# Altium PCB CMTestBoardV2.PcbDoc (part 1 of 2) (continued)
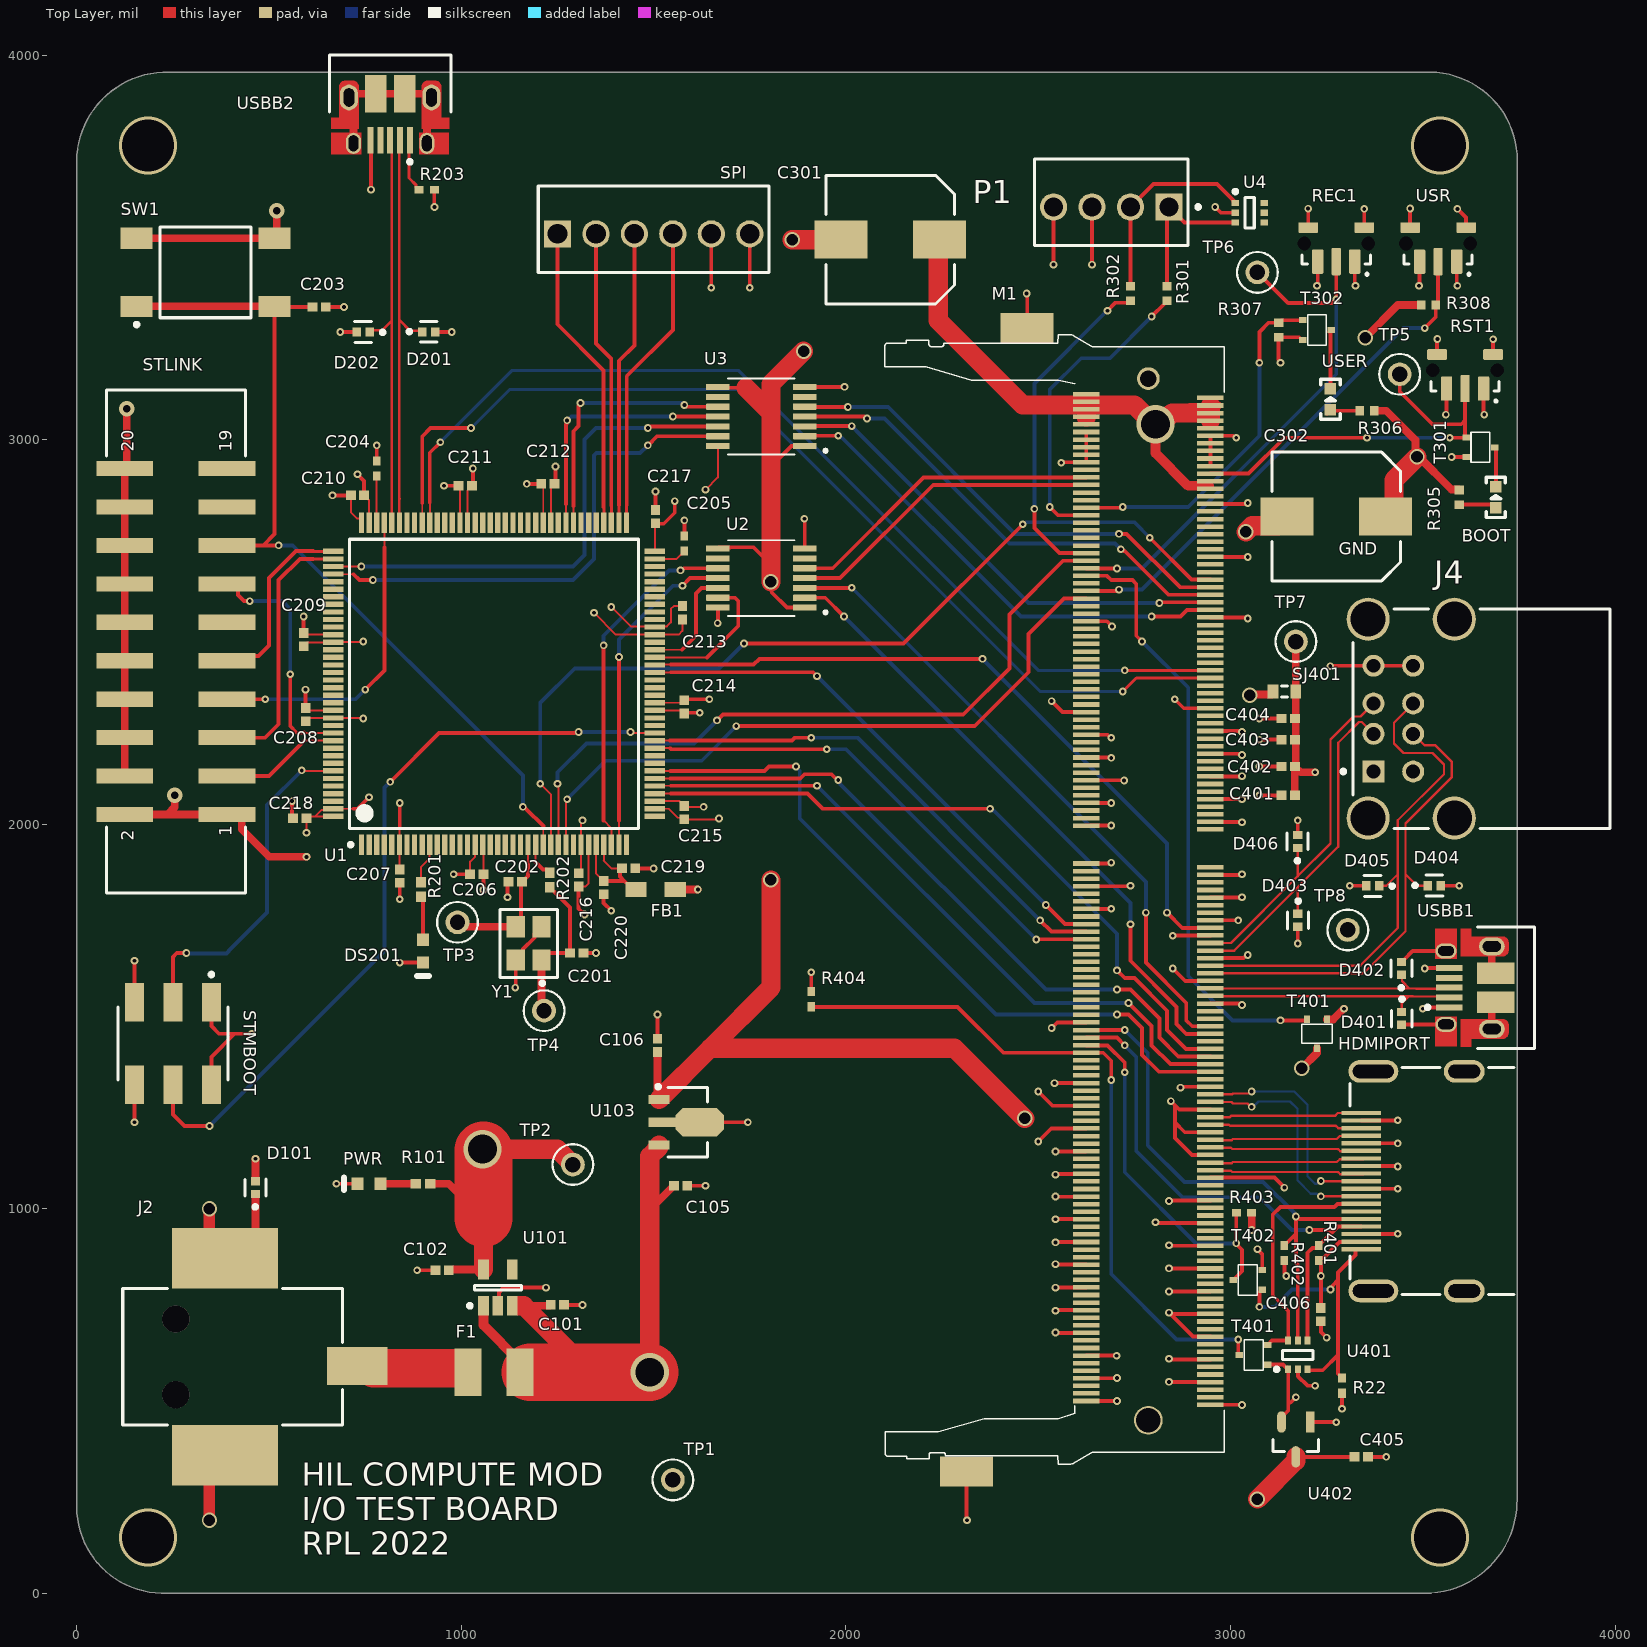
[diagram p0: Top Layer view]
## Design rules (kind name [scope] priority, off if disabled: settings) (continued)
MinimumAnnularRing [All] p1: minimumring=5
MinimumSolderMaskSliver [All] p1: minsoldermaskwidth=8
PolygonConnect [HasFootprint('No Footprint')] p1: connectstyle=Direct reliefconductorwidth=10 reliefentries=4 polygonreliefangle="90 Angle" airgapwidth=10
RoutingVias [All] p1: holewidth=10 width=20 viastyle="Through Hole" minholewidth=5 minwidth=20 maxholewidth=40 maxwidth=50
SolderMaskExpansion [All] p1: expansion=2 istentingtop=FALSE
Width [All] p1: maxlimit=150 minlimit=3.5 preferedwidth=10 substack1={B097EF99-4604-44D4-8B50-51F2A81401D0} toplayer_{b097ef99-4604-44d4-8b50-51f2a81401d0}_maxwidth=80 midlayer1_{b097ef99-4604-44d4-8b50-51f2a81401d0}_maxwidth=80 midlayer2_{b097ef99-4604-44d4-8b50-51f2a81401d0}_maxwidth=80 bottomlayer_{b097ef99-4604-44d4-8b50-51f2a81401d0}_maxwidth=80
27 further rules are at their usual default settings.

## Classes and differential pairs
net class Z_90: OTG_USB_N OTG_USB_P USB1_N USB1_P USB2_N USB2_P
net class GPIO[1..3]: GPIO1 GPIO2 GPIO3
component class U_STM32F4: C201 C202 C203 C204 C205 C206 C207 C208 C209 C210 C211 C212 C213 C214 C215 C216 C217 C218 C219 C220 D201 D202 DS201 FB1 R201 R202 R203 SPI STLINK STMBOOT SW1 TP3 TP4 U1 USBB2 Y1
component class U_Peripherals: C401 C402 C403 C404 C405 C406 D401 D402 D403 D404 D405 D406 HDMIPORT J4 R22 R401 R402 R403 R404 SJ401 T401 T402 TP7 TP8 U401 U402 USBB1
component class U_CMPower: C101 C102 C105 C106 D101 F1 J2 PWR R101 TP1 TP2 U101 U103
component class U_200PinConnector: BOOT C301 C302 M1 P1 R301 R302 R305 R306 R307 R308 REC1 RST1 T301 T302 TP5 TP6 U2 U3 U4 USER USR
differential pair HDMI_D2: +HDMI_D2_P -HDMI_D2_N
differential pair HDMI_D1: +HDMI_D1_P -HDMI_D1_N
differential pair HDMI_D0: +HDMI_D0_P -HDMI_D0_N
differential pair HDMI_CLK: +HDMI_CLK_P -HDMI_CLK_N
differential pair USB2: +USB2_P -USB2_N
differential pair USB1: +USB1_P -USB1_N
differential pair OTG_USB: +OTG_USB_P -OTG_USB_N

## Components (designator, comment, footprint, x,y, rotation, side; value= is the part's Value field where it differs from the comment)
BOOT "APT1608SGC" LED0603 3690,2850 r90 top
C101 "CL05A106MQ5NUNC" CAPC1005X55N 1250,750 r0 top value=10uF
C102 "CL05A106MQ5NUNC" CAPC1005X55N 950,840 r180 top value=10uF
C105 "CL05A105KA5NQNC" CAPC1005X55N 1570,1060 r0 top value=1uF
C106 "CL05A105KA5NQNC" CAPC1005X55N 1510,1425 r90 top value=1uF
C201 "CL05C100JB5NNNC" CAPC1005X55N 1300,1665 r0 top value=10pF
C202 "CL05C100JB5NNNC" CAPC1005X55N 1140,1850 r180 top value=10pF
C203 "CL05B104KO5NNNC" CAPC1005X55N 630,3345 r0 top value=100nF
C204 "CL05A225MQ5NSNC" 0402#1 780,2925 r270 top
C205 "CL05A225MQ5NSNC" 0402#1 1580,2730 r270 top
C206 "CL05B104KO5NNNC" CAPC1005X55N 1040,1870 r180 top value=100nF
C207 "CL05B104KO5NNNC" CAPC1005X55N 840,1865 r270 top value=100nF
C208 "CL05B104KO5NNNC" CAPC1005X55N 595,2285 r90 top value=100nF
C209 "CL05B104KO5NNNC" CAPC1005X55N 590,2480 r90 top value=100nF
C210 "CL05B104KO5NNNC" CAPC1005X55N 730,2855 r0 top value=100nF
C211 "CL05B104KO5NNNC" CAPC1005X55N 1010,2880 r0 top value=100nF
C212 "CL05B104KO5NNNC" CAPC1005X55N 1225,2885 r0 top value=100nF
C213 "CL05B104KO5NNNC" CAPC1005X55N 1575,2550 r270 top value=100nF
C214 "CL05B104KO5NNNC" CAPC1005X55N 1580,2305 r270 top value=100nF
C215 "CL05B104KO5NNNC" CAPC1005X55N 1580,2030 r270 top value=100nF
C216 "CL05B104KO5NNNC" CAPC1005X55N 1305,1855 r270 top value=100nF
C217 "CL05B104KO5NNNC" CAPC1005X55N 1505,2800 r90 top value=100nF
C218 "CL05A475MP5NRNC" CAPC1005X55N 580,2015 r180 top value=4.7uF
C219 "CL05B104KO5NNNC" CAPC1005X55N 1435,1885 r0 top value=100nF
C220 "CL05A105KA5NQNC" CAPC1005X55N 1370,1835 r270 top value=1uF
C301 "VZL331M1ETR-0810" NIC-CAPA2-8X10_V 2115,3520 r180 top
C302 "VZL331M1ETR-0810" NIC-CAPA2-8X10_V 3275,2800 r180 top
C401 "CL05A225MQ5NSNC" CAPC1005X55N 3150,2075 r180 top
C402 "CL05A225MQ5NSNC" CAPC1005X55N 3150,2150 r180 top
C403 "CL05A225MQ5NSNC" CAPC1005X55N 3150,2220 r180 top
C404 "CL05A225MQ5NSNC" CAPC1005X55N 3150,2275 r180 top
C405 "CL05B104KO5NNNC" CAPC1005X55N 3340,355 r0 top value=100nF
C406 "CL05B104KO5NNNC" CAPC1005X55N 3235,725 r270 top value=100nF
D101 "SP3030-01ETG" FP-SP3030-MFG 465,1055 r90 top value=0.5pF
D201 "SP3030-01ETG" FP-SP3030-MFG 915,3280 r0 top value=0.5pF
D202 "SP3030-01ETG" FP-SP3030-MFG 745,3280 r180 top value=0.5pF
D401 "SP3030-01ETG" FP-SP3030-MFG 3445,1495 r270 top value=0.5pF
D402 "SP3030-01ETG" FP-SP3030-MFG 3445,1625 r90 top value=0.5pF
D403 "SP3030-01ETG" FP-SP3030-MFG 3175,1750 r270 top value=0.5pF
D404 "SP3030-01ETG" FP-SP3030-MFG 3530,1840 r0 top value=0.5pF
D405 "SP3030-01ETG" FP-SP3030-MFG 3370,1840 r180 top value=0.5pF
D406 "SP3030-01ETG" FP-SP3030-MFG 3175,1955 r90 top value=0.5pF
DS201 "LTST-S270KGKT" AVAG-HSMX-C190_V 900,1670 r270 top
F1 "ASMD1812-300" LFUS-FUSE1812-71_V 1085,575 r0 top
FB1 "BLM21AG102SN1D" MURA-BLM21-H1-CHIP-2_V 1505,1830 r180 top
HDMIPORT "685119134923" 685119134923 3549.64,1071.89 r90 top
J2 "694106105102" 694106105102 405,615 r270 top
J4 "896-43-008-90-000000" MILL-896-43-008-90-000000_V 3470,2274.5 r90 top
M1 "2309413-1" jetson-nano-connector 1132.87,552.36 r90 top
P1 "640456-4" TECO-640456-4 2690,3605 r0 top
PWR "LTST-S270KGKT" AVAG-HSMX-C190_V 760,1065 r180 top
R22 "0402WGF1003TCE" 0402#1 3290,540 r270 top
R101 "0402WGF750JTCE" RESC1005X40X25ML05T10 900,1065 r0 top
R201 "0402WGF750JTCE" RESC1005X40X25ML05T10 895,1830 r90 top
R202 "0402WGF750JTCE" RESC1005X40X25ML05T10 1230,1855 r90 top
R203 "0402WGF1003TCE" 0402#1 910,3650 r0 top
R301 "RC0402FR-0722R6L" 0402#2 2835,3380 r90 top
R302 "RC0402FR-0722R6L" 0402#2 2740,3380 r90 top
R305 "RC0402FR-07470RL" 0402#2 3595,2850 r270 top
R306 "RC0402FR-07470RL" 0402#2 3355,3075 r180 top
R307 "0402WGF1003TCE" 0402#2 3125,3285 r90 top
R308 "0402WGF1002TCE" 0402#2 3515,3350 r0 top
R401 "0402WGF1801TCE" 0402#1 3230,885 r270 top
R402 "0402WGF1801TCE" 0402#1 3140,885 r270 top value="1.8K 0402"
R403 "0402WGF1001TCE" 0402#1 3035,990 r180 top
R404 "0402WGF1001TCE" 0402#1 1910,1545 r90 top
REC1 "TL3340AF160QG" TL3340AF160QG 3275,3510 r0 top
RST1 "TL3340AF160QG" TL3340AF160QG 3610,3180 r0 top
SJ401 "0R" J1-0603 3140,2345 r180 top
SPI "640456-6" TECO-640456-6_V 1250,3535 r0 top
STLINK "61232020621" 61232020621 257.87,2475 r90 top
STMBOOT "95278-101A06LF" AMPM-95278-101A06LF_V 250,1430 r180 top
SW1 "4-1437565-1" TECO-4-1437565-1_V 335,3435 r90 top
T301 "BSS138PW,115" SC70-3 3650,2980 r0 top
T302 "BSS138PW,115" SC70-3 3225,3285 r0 top
T401 "BSS138PW,115" SC70-3 3060,620 r180 top
T401 "BSS138PW,115" SC70-3 3225,1455 r270 top
T402 "BSS138PW,115" SC70-3 3045,815 r180 top
TP1 "5004" FP-5004-MFG 1550,295 r0 top
TP2 "5004" FP-5004-MFG 1290,1115 r0 top
TP3 "5004" FP-5004-MFG 990,1745 r0 top
TP4 "5004" FP-5004-MFG 1215,1515 r0 top
TP5 "5004" FP-5004-MFG 3440,3170 r90 top
TP6 "5004" FP-5004-MFG 3070,3435 r90 top
TP7 "5004" FP-5004-MFG 3170,2475 r0 top
TP8 "5004" FP-5004-MFG 3305,1725 r0 top
U1 "STM32F427ZGT6" STM-LQFP144_V 1085,2365 r90 top
U2 "TXS0104EPWR" SOP65P640X120-14N 1780,2640 r180 top
U3 "TXS0104EPWR" SOP65P640X120-14N 1780,3060 r180 top
U4 "SMF05CT1G" ONSC-SC70-6-419B-02_W_V 3050,3590 r0 top
U101 "XC6220B331MR-G" TORX-SOT-25-5_M 1095,795 r90 top
U103 "RT9166A-18GXL" SOT-89_N 1588.5,1225 r0 top
U401 "SMF05CT1G" ONSC-SC70-6-419B-02_W_V 3175,620 r90 top
U402 "AP2331W-7" FP-SC59-IPC_B 3170,400.3 r270 top
USBB1 "10103594-0001LF" FCI-10103594-0001LF_V 3625,1575 r90 top
USBB2 "10103594-0001LF" FCI-10103594-0001LF_V 815,3835 r180 top
USER "APT1608SGC" LED0603 3260,3105 r90 top
USR "TL3340AF160QG" TL3340AF160QG 3540,3510 r0 top
Y1 "Q33310F70060700" FP-7M-MFG 1175,1690 r90 top

## Footprints (in the part's own frame and the unit in brackets; to place one, negate y for a bottom-side part, rotate by r counter-clockwise, add the part's x,y. Pads: shape width x height; smd on the part's side, far side on the other; paste and mask are expansions set on the pad)
0402#1 [mm] "Chip Capacitor, Body 1.0x0.5mm, IPC High Density"
  rect 0.6x0.5 smd: 1(-0.5,0) 2(0.5,0)
  body extent -0.55,-0.3 0.55,0.3, height 1.3
0402#2 [mm]
  rect 0.57x0.62 smd: 1(-0.48,0) 2(0.48,0)
  body extent -0.47,-0.25 0.53,0.25, height 0.35
61232020621 [mm] "WR-BHD 2.54mm Male SMT Box Header (Reel), 20p"
  rect 1x3.75 smd: 1(-11.43,-3.375) 2(-11.43,3.375) 3(-8.89,-3.375) 4(-8.89,3.375) 5(-6.35,-3.375) 6(-6.35,3.375) 7(-3.81,-3.375) 8(-3.81,3.375) 9(-1.27,-3.375) 10(-1.27,3.375) 11(1.27,-3.375) 12(1.27,3.375) 13(3.81,-3.375) 14(3.81,3.375) 15(6.35,-3.375) 16(6.35,3.375) 17(8.89,-3.375) 18(8.89,3.375) 19(11.43,-3.375) 20(11.43,3.375)
  silkscreen extent -16.6,-4.6 16.6,4.6, body extent -16.51,-4.75 16.51,4.75, height 10.55
685119134923 [mm] "HDMI SMT Horizontal"
  rect 0.28x2.6 smd: 1(4.5,5.325) 2(4,5.325) 3(3.5,5.325) 4(3,5.325) 5(2.5,5.325) 6(2,5.325) 7(1.5,5.325) 8(1,5.325) 9(0.5,5.325) 10(0,5.325) 11(-0.5,5.325) 12(-1,5.325) 13(-1.5,5.325) 14(-2,5.325) 15(-2.5,5.325) 16(-3,5.325) 17(-3.5,5.325) 18(-4,5.325) 19(-4.5,5.325)
  oval 1.5x2.7 hole 0.9 slot 2.1 at 90 deg: Shell(-7.25,-1.475) Shell(7.25,-1.475)
  oval 1.5x3.3 hole 0.9 slot 2.7 at 90 deg: Shell(-7.25,4.525) Shell(7.25,4.525)
  silkscreen extent -7.5,-4.78 7.5,6.07, body extent -7.55,-6.07 7.45,6.08, height 6.17
694106105102 [mm] "DC Power Jack Right Angled SMT ?6.4 with pegs"
  rect 2.5x4 smd: 1(0.6,8.25)
  rect 4x7 smd: 2(-6.5,-0.5) 3(6.5,-0.5)
  round 1.8 hole 1.8 unplated: MH1(-2.5,-3.75) MH2(2.5,-3.75)
  silkscreen extent -4.5,-7.25 4.5,7.25, body extent -7.6,-7.25 7.6,9.75, height 11.05
AMPM-95278-101A06LF_V [mm] "SMD, 6-Leads, Body 7.26x4.83mm, Pitch 2.54mm"
  rect 1.27x2.54 smd: 1(-2.54,-2.73) 2(-2.54,2.73) 3(0,-2.73) 4(0,2.73) 5(2.54,-2.73) 6(2.54,2.73)
  silkscreen extent -3.63,-4.67 3.63,2.41, body extent -3.61,-3.64 3.61,3.64, height 9.71
AVAG-HSMX-C190_V [mm] "SMD, 2-Leads, Body 1.6x0.8mm, Height 0.9mm"
  rect 0.8x0.8 smd: 1(-0.75,0) 2(0.75,0)
  silkscreen extent 1.65,-0.4 1.65,0.4, body extent -0.8,-0.4 0.8,0.4, height 0.9
CAPC1005X55N [mm]
  rect 0.65x0.62 smd: 1(-0.44,0) 2(0.44,0)
  body extent -0.5,-0.25 0.5,0.25, height 0.55
FCI-10103594-0001LF_V [mm] "SMD, 5-Leads, Body 8.04x5.62mm, Pitch 0.65 mm"
  rect 0.4x1.75 smd: 1(-1.3,1.435) 2(-0.65,1.435) 3(0,1.435) 4(0.65,1.435) 5(1.3,1.435)
  oval 1x1.4 hole 0.65 slot 1.05 at 90 deg: 6(-2.425,1.64) 7(2.425,1.64)
  oval 1.2x1.7 hole 0.7 slot 1.2 at 90 deg: 8(2.725,-1.39) 9(-2.725,-1.39)
  rect 1.425x2.5 smd: 10(-0.962,-1.64) 11(0.962,-1.64)
  Top Layer region: 3.9,2.37 1.9,2.37 1.9,0.91 3.9,0.91
  Top Layer region: -3.9,0.91 -1.9,0.91 -1.9,2.37 -3.9,2.37
  Top Layer region: 3.375,-0.04 3.375,-2.09 3.373,-2.129 3.369,-2.167 3.365,-2.185 3.359,-2.203 3.348,-2.239 3.329,-2.277 3.308,-2.312 3.284,-2.344 3.258,-2.374 3.227,-2.401 3.194,-2.426 3.158,-2.446 3.121,-2.464 3.08,-2.477 3.049,-2.483 3.012,-2.488 2.975,-2.49 2.475,-2.49 2.432,-2.488 2.391,-2.481 2.351,-2.471 2.312,-2.456 2.28,-2.439 2.249,-2.421 2.217,-2.396 2.19,-2.37 2.164,-2.342 2.143,-2.312 2.121,-2.277 2.105,-2.241 2.093,-2.209 2.088,-2.192 2.084,-2.175 2.08,-2.155 2.076,-2.134 2.075,-2.112 2.075,-2.09 2.075,-0.04 2.075,0.66 3.9,0.66 3.9,-0.04
  Top Layer region: -3.375,-0.04 -3.375,-2.09 -3.373,-2.129 -3.369,-2.167 -3.365,-2.185 -3.359,-2.203 -3.348,-2.239 -3.329,-2.277 -3.308,-2.312 -3.284,-2.344 -3.258,-2.374 -3.227,-2.401 -3.194,-2.426 -3.158,-2.446 -3.121,-2.464 -3.08,-2.477 -3.049,-2.483 -3.012,-2.488 -2.975,-2.49 -2.475,-2.49 -2.432,-2.488 -2.391,-2.482 -2.351,-2.471 -2.312,-2.456 -2.28,-2.439 -2.249,-2.421 -2.217,-2.397 -2.19,-2.37 -2.164,-2.342 -2.143,-2.312 -2.121,-2.277 -2.105,-2.241 -2.093,-2.209 -2.088,-2.192 -2.084,-2.175 -2.08,-2.155 -2.076,-2.134 -2.075,-2.112 -2.075,-2.09 -2.075,-0.04 -2.075,0.66 -3.9,0.66 -3.9,-0.04
  silkscreen extent -4.02,-4.21 4.02,2.98, body extent -4.02,-4.15 4.02,1.88, height 2.9
FP-7M-MFG [mm]
  rect 1.4x1.2 smd paste+0 mask+0: 1(-1.1,-0.85) 2(1.1,-0.85) 3(1.1,0.85) 4(-1.1,0.85)
  silkscreen extent -2.75,-1.9 2.25,1.9, body extent -1.9,-1.55 1.9,1.55, height 0.25
FP-5004-MFG [mm]
  round 1.57 hole 1.02 paste-1000 mask+0: 1(0,0)
  silkscreen extent -1.35,-1.34 1.35,1.34, body extent -1.45,-1.45 1.45,1.45, height 0.25
FP-SC59-IPC_B [mm]
  rect 1.407x0.576 smd paste+0 mask+0: 1(-1.151,0.95)
  rrect100% 1.407x0.576 smd paste+0 mask+0: 2(-1.151,-0.95) 3(1.151,0)
  silkscreen extent 0,-1.5 0.8,1.5, body extent -2.1,-1.75 2.1,1.75, height 0.25
FP-SP3030-MFG [mm]
  rect 0.55x0.6 smd paste+0 mask+0: 1(-0.425,0) 2(0.425,0)
  silkscreen extent -1.4,-0.68 0.56,0.7, body extent -0.8,-0.45 0.8,0.45, height 0.25
J1-0603 [mm] "Chip Resistor, Body 1.6x0.8mm, IPC High Density"
  rect 0.7x0.9 smd: 1(-0.75,0) 2(0.75,0)
  silkscreen extent -0.2,-0.35 0.2,0.35, body extent -0.85,-0.48 0.85,0.48, height 0.9
jetson-nano-connector [mm]
  rect 0.3x1.75 smd paste-0.05: 1(-1.575,-46.1) 2(-1.325,-37.9) 3(-1.075,-46.1) 4(-0.825,-37.9) 5(-0.575,-46.1) 6(-0.325,-37.9) 7(-0.075,-46.1) 8(0.175,-37.9) 9(0.425,-46.1) 10(0.675,-37.9) 11(0.925,-46.1) 12(1.175,-37.9) 13(1.425,-46.1) 14(1.675,-37.9) 15(1.925,-46.1) 16(2.175,-37.9) 17(2.425,-46.1) 18(2.675,-37.9) 19(2.925,-46.1) 20(3.175,-37.9) 21(3.425,-46.1) 22(3.675,-37.9) 23(3.925,-46.1) 24(4.175,-37.9) 25(4.425,-46.1) 26(4.675,-37.9) 27(4.925,-46.1) 28(5.175,-37.9) 29(5.425,-46.1) 30(5.675,-37.9) 31(5.925,-46.1) 32(6.175,-37.9) 33(6.425,-46.1) 34(6.675,-37.9) 35(6.925,-46.1) 36(7.175,-37.9) 37(7.425,-46.1) 38(7.675,-37.9) 39(7.925,-46.1) 40(8.175,-37.9) 41(8.425,-46.1) 42(8.675,-37.9) 43(8.925,-46.1) 44(9.175,-37.9) 45(9.425,-46.1) 46(9.675,-37.9) 47(9.925,-46.1) 48(10.175,-37.9) 49(10.425,-46.1) 50(10.675,-37.9) 51(10.925,-46.1) 52(11.175,-37.9) 53(11.425,-46.1) 54(11.675,-37.9) 55(11.925,-46.1) 56(12.175,-37.9) 57(12.425,-46.1) 58(12.675,-37.9) 59(12.925,-46.1) 60(13.175,-37.9) 61(13.425,-46.1) 62(13.675,-37.9) 63(13.925,-46.1) 64(14.175,-37.9) 65(14.425,-46.1) 66(14.675,-37.9) 67(14.925,-46.1) 68(15.175,-37.9) 69(15.425,-46.1) 70(15.675,-37.9) 71(15.925,-46.1) 72(16.175,-37.9) 73(16.425,-46.1) 74(16.675,-37.9) 75(16.925,-46.1) 76(17.175,-37.9) 77(17.425,-46.1) 78(17.675,-37.9) 79(17.925,-46.1) 80(18.175,-37.9) 81(18.425,-46.1) 82(18.675,-37.9) 83(18.925,-46.1) 84(19.175,-37.9) 85(19.425,-46.1) 86(19.675,-37.9) 87(19.925,-46.1) 88(20.175,-37.9) 89(20.425,-46.1) 90(20.675,-37.9) 91(20.925,-46.1) 92(21.175,-37.9) 93(21.425,-46.1) 94(21.675,-37.9) 95(21.925,-46.1) 96(22.175,-37.9) 97(22.425,-46.1) 98(22.675,-37.9) 99(22.925,-46.1) 100(23.175,-37.9) 101(23.425,-46.1) 102(23.675,-37.9) 103(23.925,-46.1) 104(24.175,-37.9) 105(24.425,-46.1) 106(24.675,-37.9) 107(24.925,-46.1) 108(25.175,-37.9) 109(25.425,-46.1) 110(25.675,-37.9) 111(25.925,-46.1) 112(26.175,-37.9) 113(26.425,-46.1) 114(26.675,-37.9) 115(26.925,-46.1) 116(27.175,-37.9) 117(27.425,-46.1) 118(27.675,-37.9) 119(27.925,-46.1) 120(28.175,-37.9) 121(28.425,-46.1) 122(28.675,-37.9) 123(28.925,-46.1) 124(29.175,-37.9) 125(29.425,-46.1) 126(29.675,-37.9) 127(29.925,-46.1) 128(30.175,-37.9) 129(30.425,-46.1) 130(30.675,-37.9) 131(30.925,-46.1) 132(31.175,-37.9) 133(31.425,-46.1) 134(31.675,-37.9) 135(31.925,-46.1) 136(32.175,-37.9) 137(32.425,-46.1) 138(32.675,-37.9) 139(32.925,-46.1) 140(33.175,-37.9) 141(33.425,-46.1) 142(33.675,-37.9) 143(33.925,-46.1) 144(34.175,-37.9) 145(36.425,-46.1) 146(36.675,-37.9) 147(36.925,-46.1) 148(37.175,-37.9) 149(37.425,-46.1) 150(37.675,-37.9) 151(37.925,-46.1) 152(38.175,-37.9) 153(38.425,-46.1) 154(38.675,-37.9) 155(38.925,-46.1) 156(39.175,-37.9) 157(39.425,-46.1) 158(39.675,-37.9) 159(39.925,-46.1) 160(40.175,-37.9) 161(40.425,-46.1) 162(40.675,-37.9) 163(40.925,-46.1) 164(41.175,-37.9) 165(41.425,-46.1) 166(41.675,-37.9) 167(41.925,-46.1) 168(42.175,-37.9) 169(42.425,-46.1) 170(42.675,-37.9) 171(42.925,-46.1) 172(43.175,-37.9) 173(43.425,-46.1) 174(43.675,-37.9) 175(43.925,-46.1) 176(44.175,-37.9) 177(44.425,-46.1) 178(44.675,-37.9) 179(44.925,-46.1) 180(45.175,-37.9) 181(45.425,-46.1) 182(45.675,-37.9) 183(45.925,-46.1) 184(46.175,-37.9) 185(46.425,-46.1) 186(46.675,-37.9) 187(46.925,-46.1) 188(47.175,-37.9) 189(47.425,-46.1) 190(47.675,-37.9) 191(47.925,-46.1) 192(48.175,-37.9) 193(48.425,-46.1) 194(48.675,-37.9) 195(48.925,-46.1) 196(49.175,-37.9) 197(49.425,-46.1) 198(49.675,-37.9) 199(49.925,-46.1) 200(50.175,-37.9) 201(50.425,-46.1) 202(50.675,-37.9) 203(50.925,-46.1) 204(51.175,-37.9) 205(51.425,-46.1) 206(51.675,-37.9) 207(51.925,-46.1) 208(52.175,-37.9) 209(52.425,-46.1) 210(52.675,-37.9) 211(52.925,-46.1) 212(53.175,-37.9) 213(53.425,-46.1) 214(53.675,-37.9) 215(53.925,-46.1) 216(54.175,-37.9) 217(54.425,-46.1) 218(54.675,-37.9) 219(54.925,-46.1) 220(55.175,-37.9) 221(55.425,-46.1) 222(55.675,-37.9) 223(55.925,-46.1) 224(56.175,-37.9) 225(56.425,-46.1) 226(56.675,-37.9) 227(56.925,-46.1) 228(57.175,-37.9) 229(57.425,-46.1) 230(57.675,-37.9) 231(57.925,-46.1) 232(58.175,-37.9) 233(58.425,-46.1) 234(58.675,-37.9) 235(58.925,-46.1) 236(59.175,-37.9) 237(59.425,-46.1) 238(59.675,-37.9) 239(59.925,-46.1) 240(60.175,-37.9) 241(60.425,-46.1) 242(60.675,-37.9) 243(60.925,-46.1) 244(61.175,-37.9) 245(61.425,-46.1) 246(61.675,-37.9) 247(61.925,-46.1) 248(62.175,-37.9) 249(62.425,-46.1) 250(62.675,-37.9) 251(62.925,-46.1) 252(63.175,-37.9) 253(63.425,-46.1) 254(63.675,-37.9) 255(63.925,-46.1) 256(64.175,-37.9) 257(64.425,-46.1) 258(64.675,-37.9) 259(64.925,-46.1) 260(65.175,-37.9)
  rect 2x3.5 smd paste-0.05: 261(69.525,-34) 262(-5.975,-30)
  round 1.9 hole 1.6 unplated: M(-2.6,-42)
  round 1.5 hole 1.1 unplated: M(66.2,-42)
  silkscreen extent -5.5,-47 69.1,-24.59, body extent -6.27,-46.9 69.82,-21.05, height 9.23
LED0603 [mil]
  rect 30x30 smd: A(-27.5,0) K(27.5,0)
  silkscreen extent -52,-25 52,25, body extent -33,-16 31,16, height 43
LFUS-FUSE1812-71_V [mm] "Chip Fuse, Body 4.73x3.41mm, Height 0.71mm"
  rect 1.78x3.15 smd: 1(-1.725,0) 2(1.725,0)
  body extent -1.73,-1.57 1.73,1.57, height 0.71
MILL-896-43-008-90-000000_V [mil] "USB, 8-Leads, Body 16.967x14.503mm"
  rect 57.09x57.09 hole 36: 1(-137.5,98)
  round 57.09 hole 36: 2(-39.5,98) 3(39.5,98) 4(137.5,98) 5(-137.5,-5) 6(-39.5,-5) 7(39.5,-5) 8(137.5,-5)
  round 112.2 hole 91: 9(-258.5,112) 10(258.5,112) 11(-258.5,-112) 12(258.5,-112)
  silkscreen extent -286,-517 286,182, body extent -286,-517 286,151, height 610
MURA-BLM21-H1-CHIP-2_V [mm] "Chip Ferrite Bead, 2-Leads, Body 2x1.25mm, Height 1.05mm"
  rect 1.4x1 smd: 1(-1.3,0) 2(1.3,0)
  body extent -1,-0.63 1,0.63, height 1.05
NIC-CAPA2-8X10_V [mm] "Aluminum Electrolytic Capacitor, Diameter 8mm, Height 10.8mm, Pitch 6.5mm"
  rect 3.5x2.5 smd: 1(-3.25,0) 2(3.25,0)
  silkscreen extent -4.25,-4.25 4.25,4.25, body extent -3.99,-3.97 3.99,4, height 10.8
ONSC-SC70-6-419B-02_W_V [mm] "SOT23, 6-Leads, Body 2x1.25mm, Pitch 0.65mm"
  rect 0.5x0.4 smd: 1(-0.95,0.65) 2(-0.95,0) 3(-0.95,-0.65) 4(0.95,-0.65) 5(0.95,0) 6(0.95,0.65)
  silkscreen extent -1.07,-1 0.3,1.52, body extent -0.63,-1 0.63,1, height 1.1
RESC1005X40X25ML05T10 [mm] "Chip Resistor, 2-Leads, Body 1.00x0.50mm, IPC Low Density"
  rect 0.7x0.65 smd: 1(-0.475,0) 2(0.475,0)
  body extent -0.53,-0.27 0.53,0.28, height 0.4
SC70-3 [mm] "SC70, 3-Leads, Pitch 0,65mm, EIAJ SC-88a"
  rect 0.5x0.4 smd: 1(-0.95,0.65) 2(-0.95,-0.65) 3(0.95,0)
  silkscreen extent -0.63,-1 0.63,1, body extent -1.15,-1.08 1.15,1.02, height 1
SOP65P640X120-14N [mm]
  rrect25% 1.57x0.41 smd: 1(-2.87,1.95) 2(-2.87,1.3) 3(-2.87,0.65) 4(-2.87,0) 5(-2.87,-0.65) 6(-2.87,-1.3) 7(-2.87,-1.95) 8(2.87,-1.95) 9(2.87,-1.3) 10(2.87,-0.65) 11(2.87,0) 12(2.87,0.65) 13(2.87,1.3) 14(2.87,1.95)
  silkscreen extent -4.34,-2.5 2.2,2.5
SOT-89_N [mm] "SOT89, 3-Leads, Body 4.5x2.4 mm, Pitch 1.5mm, Lead Span 4.1mm, IPC Medium Density"
  rect 1.4x0.6 smd: 1(-1.9,1.5) 3(-1.9,-1.5)
  rect 1.8x0.6 smd: 2(-1.7,0)
  oct 3.2x1.9 smd: 2(0.8,0)
  silkscreen extent -2.07,-2.3 1.3,2.47, body extent -1.3,-2.3 1.3,2.3, height 1.6
STM-LQFP144_V [mm] "Thin QFP, 144-Leads, Body 20x20mm, Pitch 0.5mm, ST Recommended"
  rect 1.35x0.35 smd: 1(-10.625,8.75) 2(-10.625,8.25) 3(-10.625,7.75) 4(-10.625,7.25) 5(-10.625,6.75) 6(-10.625,6.25) 7(-10.625,5.75) 8(-10.625,5.25) 9(-10.625,4.75) 10(-10.625,4.25) 11(-10.625,3.75) 12(-10.625,3.25) 13(-10.625,2.75) 14(-10.625,2.25) 15(-10.625,1.75) 16(-10.625,1.25) 17(-10.625,0.75) 18(-10.625,0.25) 19(-10.625,-0.25) 20(-10.625,-0.75) 21(-10.625,-1.25) 22(-10.625,-1.75) 23(-10.625,-2.25) 24(-10.625,-2.75) 25(-10.625,-3.25) 26(-10.625,-3.75) 27(-10.625,-4.25) 28(-10.625,-4.75) 29(-10.625,-5.25) 30(-10.625,-5.75) 31(-10.625,-6.25) 32(-10.625,-6.75) 33(-10.625,-7.25) 34(-10.625,-7.75) 35(-10.625,-8.25) 36(-10.625,-8.75) 73(10.625,-8.75) 74(10.625,-8.25) 75(10.625,-7.75) 76(10.625,-7.25) 77(10.625,-6.75) 78(10.625,-6.25) 79(10.625,-5.75) 80(10.625,-5.25) 81(10.625,-4.75) 82(10.625,-4.25) 83(10.625,-3.75) 84(10.625,-3.25) 85(10.625,-2.75) 86(10.625,-2.25) 87(10.625,-1.75) 88(10.625,-1.25) 89(10.625,-0.75) 90(10.625,-0.25) 91(10.625,0.25) 92(10.625,0.75) 93(10.625,1.25) 94(10.625,1.75) 95(10.625,2.25) 96(10.625,2.75) 97(10.625,3.25) 98(10.625,3.75) 99(10.625,4.25) 100(10.625,4.75) 101(10.625,5.25) 102(10.625,5.75) 103(10.625,6.25) 104(10.625,6.75) 105(10.625,7.25) 106(10.625,7.75) 107(10.625,8.25) 108(10.625,8.75)
  rect 0.35x1.35 smd: 37(-8.75,-10.625) 38(-8.25,-10.625) 39(-7.75,-10.625) 40(-7.25,-10.625) 41(-6.75,-10.625) 42(-6.25,-10.625) 43(-5.75,-10.625) 44(-5.25,-10.625) 45(-4.75,-10.625) 46(-4.25,-10.625) 47(-3.75,-10.625) 48(-3.25,-10.625) 49(-2.75,-10.625) 50(-2.25,-10.625) 51(-1.75,-10.625) 52(-1.25,-10.625) 53(-0.75,-10.625) 54(-0.25,-10.625) 55(0.25,-10.625) 56(0.75,-10.625) 57(1.25,-10.625) 58(1.75,-10.625) 59(2.25,-10.625) 60(2.75,-10.625) 61(3.25,-10.625) 62(3.75,-10.625) 63(4.25,-10.625) 64(4.75,-10.625) 65(5.25,-10.625) 66(5.75,-10.625) 67(6.25,-10.625) 68(6.75,-10.625) 69(7.25,-10.625) 70(7.75,-10.625) 71(8.25,-10.625) 72(8.75,-10.625) 109(8.75,10.625) 110(8.25,10.625) 111(7.75,10.625) 112(7.25,10.625) 113(6.75,10.625) 114(6.25,10.625) 115(5.75,10.625) 116(5.25,10.625) 117(4.75,10.625) 118(4.25,10.625) 119(3.75,10.625) 120(3.25,10.625) 121(2.75,10.625) 122(2.25,10.625) 123(1.75,10.625) 124(1.25,10.625) 125(0.75,10.625) 126(0.25,10.625) 127(-0.25,10.625) 128(-0.75,10.625) 129(-1.25,10.625) 130(-1.75,10.625) 131(-2.25,10.625) 132(-2.75,10.625) 133(-3.25,10.625) 134(-3.75,10.625) 135(-4.25,10.625) 136(-4.75,10.625) 137(-5.25,10.625) 138(-5.75,10.625) 139(-6.25,10.625) 140(-6.75,10.625) 141(-7.25,10.625) 142(-7.75,10.625) 143(-8.25,10.625) 144(-8.75,10.625)